# Altium PCB RS2-708_V008.PcbDoc (part 2 of 4) (continued)
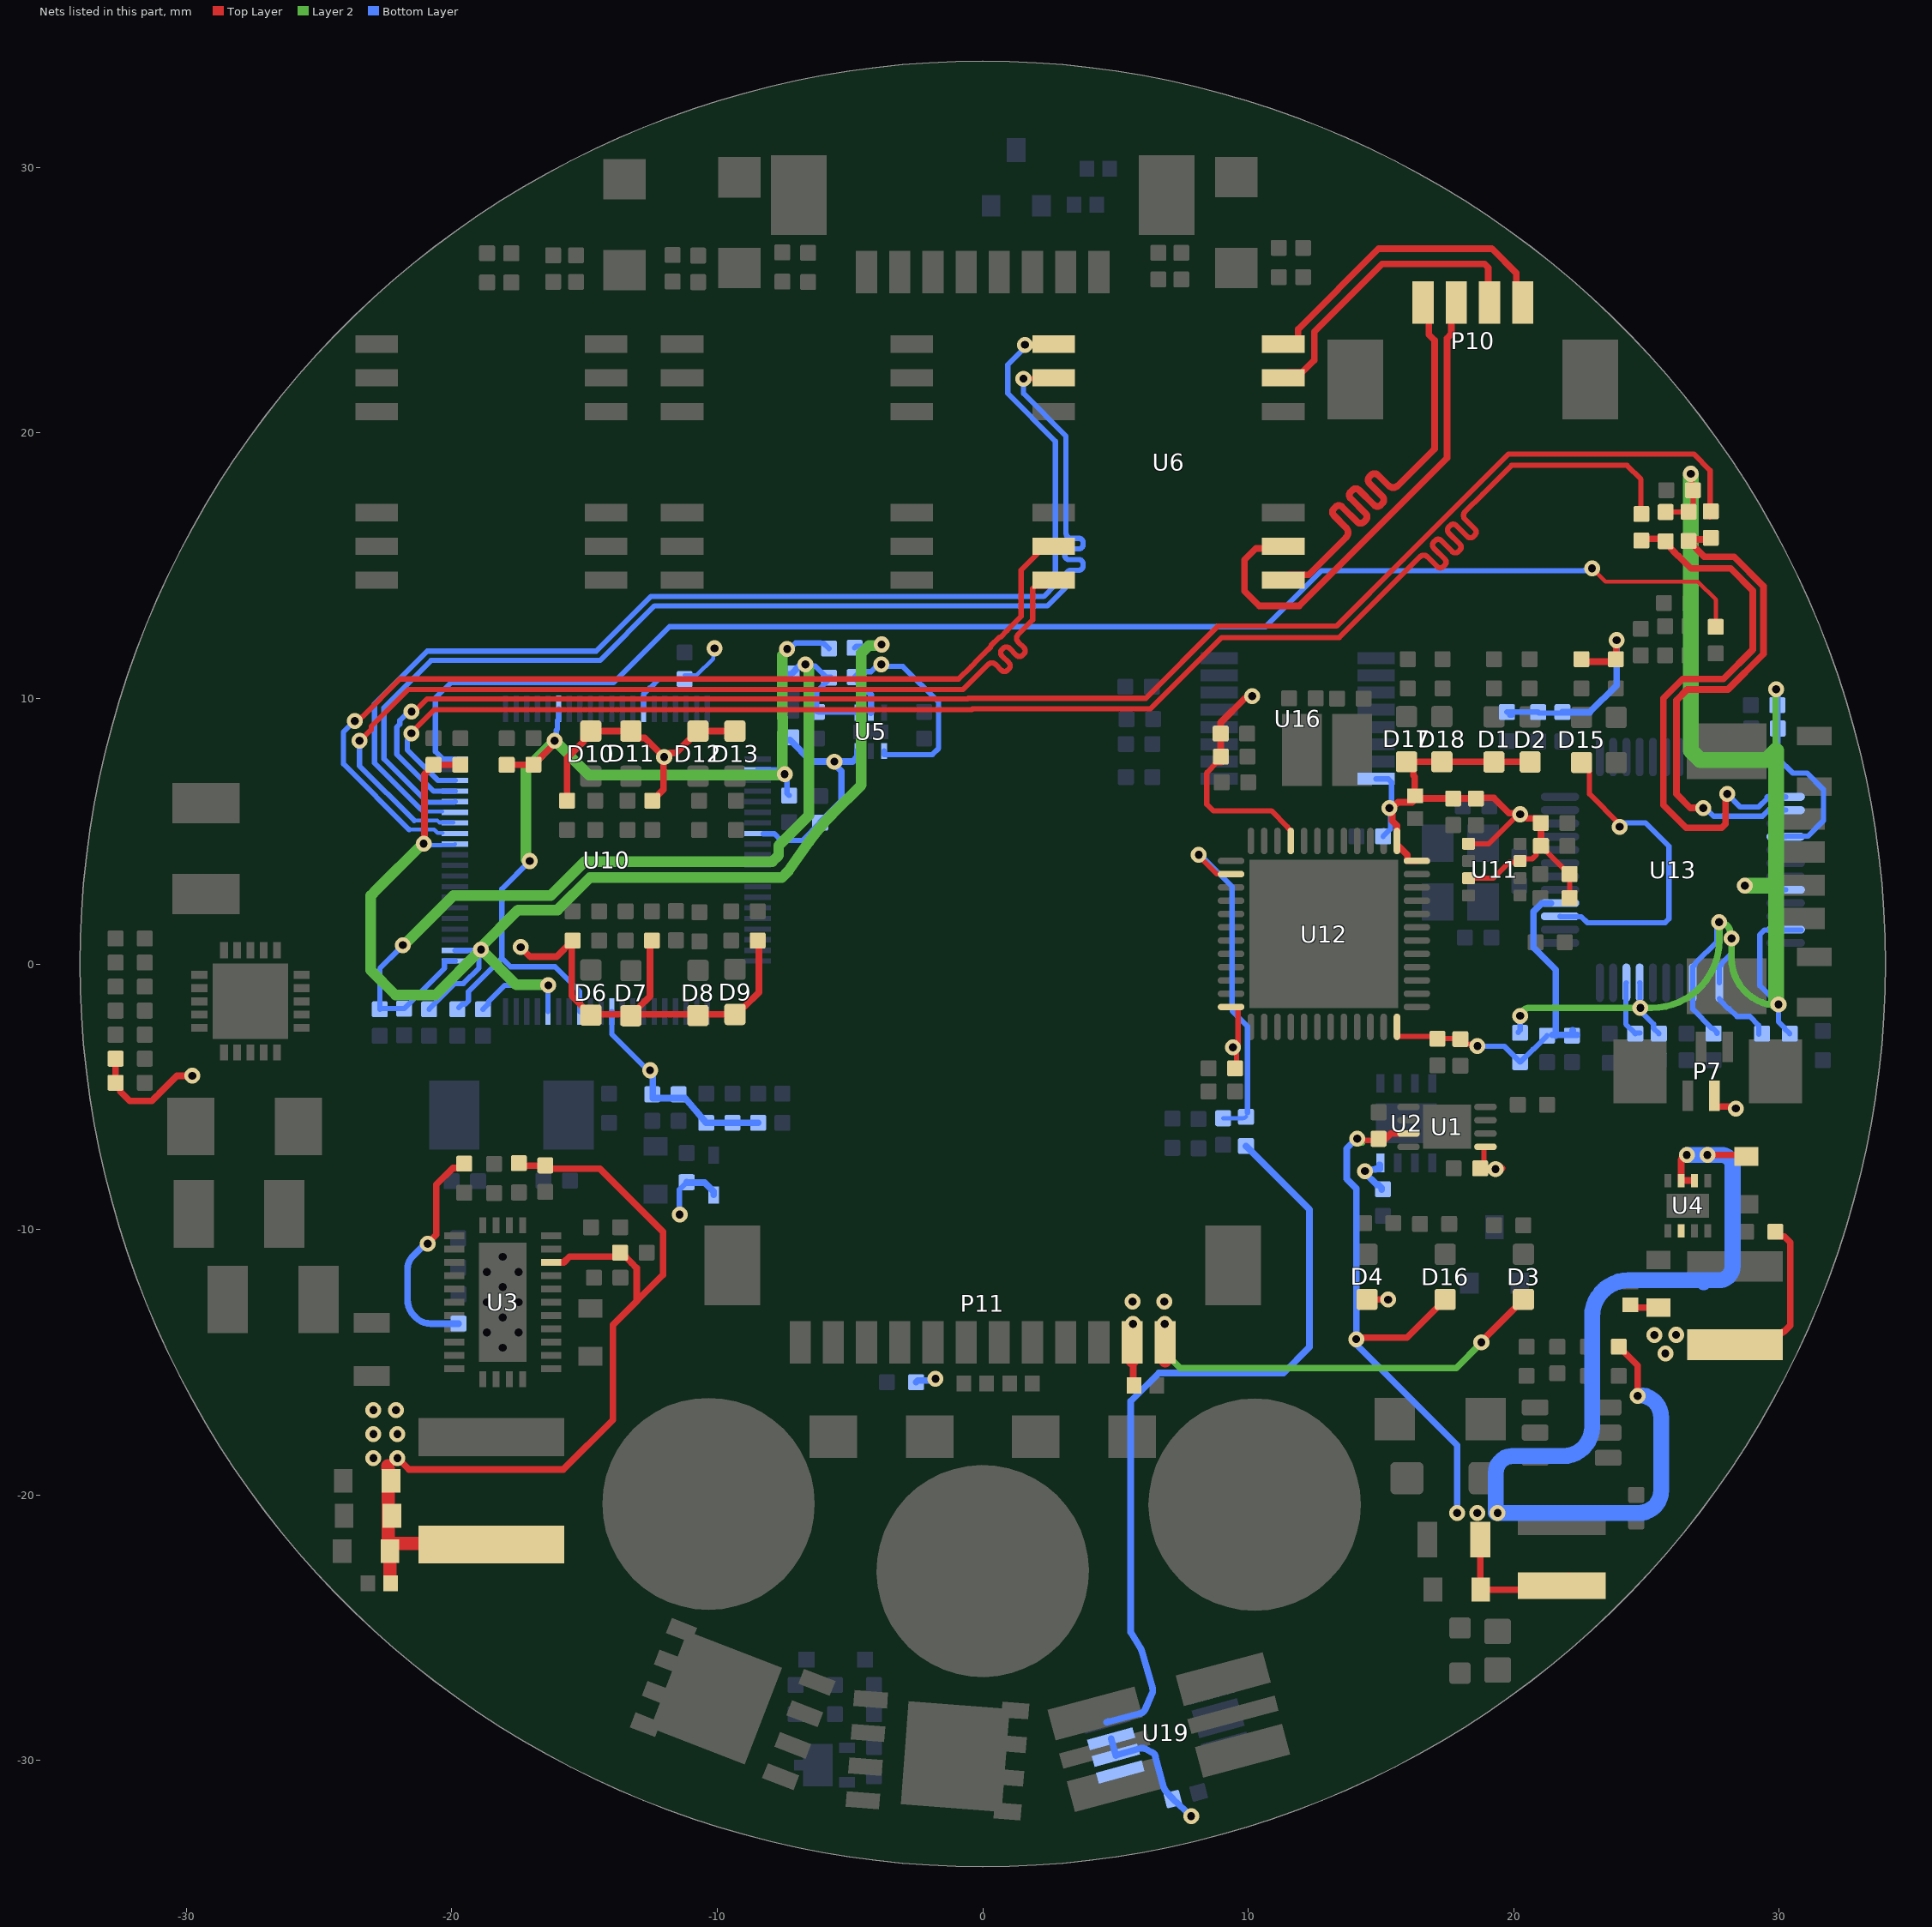
[diagram p4: the nets of this part, all layers, seen from the top]
## Part data (continued)
D33: "ESD Suppressor TVS 24V Automotive 3-Pin SOT-23 T/R", Breakdown Voltage=27V, Capacitance=30pF, Case/Package=SOT-23, Clamping Voltage=43V, Leakage Current=100nA, Manufacturer 1=STMicroelectronics, Manufacturer Part Number 1=ESDCAN24-2BLY, Max Operating Temperature=150°C, Max Power Dissipation=230W, Min Breakdown Voltage=26.2V, Min Operating Temperature=-40°C, Package Quantity=1, Peak Pulse Current=5.5A, Power Line Protection=No, Resistor Type=Zener, Reverse Standoff Voltage=24V, Supplier Part Number 1=497-13262-1-ND, Category="TVS Diodes", ComponentLink1Description=https://datasheet.ciiva.com/22685/1786030-22685811.pdf?src-supplier=Element14, ComponentLink1URL=https://datasheet.ciiva.com/22685/1786030-22685811.pdf?src-supplier=Element14, ComponentLink2Description=https://datasheet.ciiva.com/26935/getdatasheetpartid-779627-26935935.pdf?src-supplier=Verical, ComponentLink2URL=https://datasheet.ciiva.com/26935/getdatasheetpartid-779627-26935935.pdf?src-supplier=Verical, ComponentLink3Description=https://datasheet.ciiva.com/23803/dm00037599-23803632.pdf?src-supplier=Newark, ComponentLink3URL=https://datasheet.ciiva.com/23803/dm00037599-23803632.pdf?src-supplier=Newark, ComponentLink4Description=https://datasheet.ciiva.com/12070/dm00037599-100424-12070821.pdf?src-supplier=Mouser, ComponentLink4URL=https://datasheet.ciiva.com/12070/dm00037599-100424-12070821.pdf?src-supplier=Mouser, ComponentLink5Description=https://datasheet.ciiva.com/6574/dm00037599-6574397.pdf?src-supplier=Digi-Key, ComponentLink5URL=https://datasheet.ciiva.com/6574/dm00037599-6574397.pdf?src-supplier=Digi-Key, ComponentLink6Description=https://datasheet.ciiva.com/6574/dm00037599-6574398.pdf?src-supplier=Digi-Key, ComponentLink6URL=https://datasheet.ciiva.com/6574/dm00037599-6574398.pdf?src-supplier=Digi-Key, ComponentLink7Description=https://datasheet.ciiva.com/16581/dm00037599-16581999.pdf?src-supplier=Avnet+Europe, ComponentLink7URL=https://datasheet.ciiva.com/16581/dm00037599-16581999.pdf?src-supplier=Avnet+Europe, ComponentLink8Description=https://datasheet.ciiva.com/41443/001183991-da-01-en-tvs-diode-24-esdcan24-2bly-sot-23-3l-stm-41443402.pdf?src-supplier=Conrad, ComponentLink8URL=https://datasheet.ciiva.com/41443/001183991-da-01-en-tvs-diode-24-esdcan24-2bly-sot-23-3l-stm-41443402.pdf?src-supplier=Conrad, Depth=1.3mm, Diode Type=ZENER, Direction=Bidirectional, Element Configuration=Dual, ESD Protection=Yes, Height=1.4mm, Lead Free="Lead Free", Length=2.9mm, Max Reverse Leakage Current=100nA, Mount="Surface Mount", Number of Bidirectional Channels=2, Number of Channels=2, Number of Pins=3, Packaging="Tape and Reel", Peak Pulse Power=230W, Polarity=Bidirectional, Pricing 1="1=0,40000, 10=0,31000, 100=0,18570, 500=0,17198, 1000=0,12980 (USD)", Radiation Hardening=No, REACH SVHC="No SVHC", RoHS=Yes, RoHS Compliant=Yes, Series="Automotive, AEC-Q101, ESDCAY, TRANSIL™", Stock 1=51547, Supplier 1=Digi-Key, Termination=SMD/SMT, Width=1.75mm, Working Voltage=24V
D37: "TVS DIODE 12V 21V SOT23", Breakdown Voltage=13.3V, Capacitance=45pF, Case/Package=SOT-23, Clamping Voltage=21V, Current Rating=1uA, Manufacturer 1=MCC, Max Operating Temperature=150°C, Max Power Dissipation=400W, Min Operating Temperature=-55°C, Operating Supply Voltage=12V, Package Quantity=1, Peak Pulse Current=5A, Power Line Protection=No, Resistor Type=Zener, Supplier Part Number 1=SM712-TPMSCT-ND, Category="TVS Diodes", ComponentLink1Description=https://datasheet.ciiva.com/16480/rclamp0582b-16480625.pdf?src-supplier=Future+Electronics, ComponentLink1URL=https://datasheet.ciiva.com/16480/rclamp0582b-16480625.pdf?src-supplier=Future+Electronics, ComponentLink2Description=https://datasheet.ciiva.com/29588/rclamp0582bq-29588763.pdf?src-supplier=Digi-Key, ComponentLink2URL=https://datasheet.ciiva.com/29588/rclamp0582bq-29588763.pdf?src-supplier=Digi-Key, ComponentLink3Description=https://datasheet.ciiva.com/29588/rclamp0582bq-29588764.pdf?src-supplier=Digi-Key, ComponentLink3URL=https://datasheet.ciiva.com/29588/rclamp0582bq-29588764.pdf?src-supplier=Digi-Key, ComponentLink4Description=https://datasheet.ciiva.com/29588/rclamp0582bq-29588765.pdf?src-supplier=Digi-Key, ComponentLink4URL=https://datasheet.ciiva.com/29588/rclamp0582bq-29588765.pdf?src-supplier=Digi-Key, ComponentLink5Description=https://datasheet.ciiva.com/342/sm712sot-23-342378.pdf?src-supplier=Digi-Key, ComponentLink5URL=https://datasheet.ciiva.com/342/sm712sot-23-342378.pdf?src-supplier=Digi-Key, ComponentLink6Description=https://datasheet.ciiva.com/4479/sm712sot-23-52175-4479615.pdf?src-supplier=Mouser, ComponentLink6URL=https://datasheet.ciiva.com/4479/sm712sot-23-52175-4479615.pdf?src-supplier=Mouser, ComponentLink7Description=https://datasheet.ciiva.com/342/sm712sot-23-342379.pdf?src-supplier=Digi-Key, ComponentLink7URL=https://datasheet.ciiva.com/342/sm712sot-23-342379.pdf?src-supplier=Digi-Key, ComponentLink8Description=https://datasheet.ciiva.com/17443/sm712sot-23-17443003.pdf?src-supplier=Future+Electronics, ComponentLink8URL=https://datasheet.ciiva.com/17443/sm712sot-23-17443003.pdf?src-supplier=Future+Electronics, ComponentLink9Description=https://datasheet.ciiva.com/342/sm712sot-23-342380.pdf?src-supplier=Digi-Key, ComponentLink9URL=https://datasheet.ciiva.com/342/sm712sot-23-342380.pdf?src-supplier=Digi-Key, Depth=1.4mm, Direction=Bidirectional, Element Configuration=Dual, Lead Free="Lead Free", Leakage Current=1uA, Length=3.04mm, Manufacturer Part Number 1=SM712-TP, Min Breakdown Voltage=13.3V, Mount="Surface Mount", Number of Bidirectional Channels=2, Number of Channels=2, Number of Pins=3, Packaging="Tape and Reel", Peak Pulse Power=400W, Pricing 1="1=0,99000, 10=0,88500, 100=0,63000, 500=0,53400, 1000=0,43500 (USD)", Radiation Hardening=No, Reverse Standoff Voltage=12V, RoHS=Yes, Stock 1=53074, Supplier 1=Digi-Key, Termination=SMD/SMT, Working Voltage=12V
FB1 FB2 FB3: Case/Package=0402, Case Code (Metric)=1005, Current Rating=1.3A, DC Resistance (DCR)=90mR, Manufacturer 1=Murata, Manufacturer Part Number 1=BLM15PD121SN1D, Max Operating Temperature=125°C, Min Operating Temperature=-55°C, Package Quantity=1, Supplier Part Number 1=490-5203-1-ND, Test Frequency=100MHz, Tolerance=25%, Case Code (Imperial)=0402, ComponentLink1Description=https://datasheet.ciiva.com/18093/getdatasheetpartid-195858-18093157.pdf?src-supplier=Verical, ComponentLink1URL=https://datasheet.ciiva.com/18093/getdatasheetpartid-195858-18093157.pdf?src-supplier=Verical, ComponentLink2Description=https://datasheet.ciiva.com/11800/0900766b811b5866-11800860.pdf?src-supplier=RSComponents, ComponentLink2URL=https://datasheet.ciiva.com/11800/0900766b811b5866-11800860.pdf?src-supplier=RSComponents, ComponentLink3Description=https://datasheet.ciiva.com/41425/001171686-da-01-en-chip-drossel0402-120r-1300ma-1-0x0-5mm-41425776.pdf?src-supplier=Conrad, ComponentLink3URL=https://datasheet.ciiva.com/41425/001171686-da-01-en-chip-drossel0402-120r-1300ma-1-0x0-5mm-41425776.pdf?src-supplier=Conrad, ComponentLink4Description=https://datasheet.ciiva.com/41449/001172205-da-01-en-drossel-0402-120r-11-0x0-5mm-10000st-41449495.pdf?src-supplier=Conrad, ComponentLink4URL=https://datasheet.ciiva.com/41449/001172205-da-01-en-drossel-0402-120r-11-0x0-5mm-10000st-41449495.pdf?src-supplier=Conrad, ComponentLink5Description=https://datasheet.ciiva.com/1012/l0110e-1012434.pdf?src-supplier=Digi-Key, ComponentLink5URL=https://datasheet.ciiva.com/1012/l0110e-1012434.pdf?src-supplier=Digi-Key, ComponentLink6Description=https://datasheet.ciiva.com/1012/l0110e-1012435.pdf?src-supplier=Digi-Key, ComponentLink6URL=https://datasheet.ciiva.com/1012/l0110e-1012435.pdf?src-supplier=Digi-Key, ComponentLink7Description=https://datasheet.ciiva.com/1012/l0110e-1012436.pdf?src-supplier=Digi-Key, ComponentLink7URL=https://datasheet.ciiva.com/1012/l0110e-1012436.pdf?src-supplier=Digi-Key, Core Material=Ferrite, DC Current=1.3A, Depth=0.55mm, Height=0.5mm, Impedance=120R, Lead Free="Lead Free", Length=1mm, Material=Steel,Ferrite, Max Current Rating=1.3A, Max DC Current=1.3A, Military Standard=Not, Number of Circuits=1, Number of Lines=1, Number of Pins=2, Packaging="Tape and Reel", Pricing 1="1=0,12000, 10=0,09600, 25=0,08680, 50=0,06360, 100=0,05490, 250=0,04332, 500=0,03658, 1000=0,03080, 5000=0,02743 (USD)", Radiation Hardening=No, REACH SVHC="No SVHC", RoHS=Yes, Stock 1=239261, Supplier 1=Digi-Key, Termination=SMD/SMT, Width=0.5mm
L1: "COILCRAFT - XAL6060-822MEC - Power Inductor (SMD), 8.2 µH, 8 A, Shielded, 8.4 A, XAL6060 Series, 6.56mm x 6.36mm x 6.1mm", Case/Package=SMD/SMT, DC Resistance (DCR)=26.4mR, Inductance=8.2uH, Inductance Tolerance=20%, Manufacturer 1=Coilcraft, Manufacturer Part Number 1=XAL6060-822MEC, Max DC Current=8A, Max Operating Temperature=125°C, Min Operating Temperature=-40°C, Package Quantity=250, Saturation Current=8.4A, Self Resonant Frequency=16MHz, Supplier Part Number 1=994-XAL6060-822MEC, Test Frequency=100kHz, Category="Fixed Inductors", ComponentLink1Description=https://datasheet.ciiva.com/13277/xal60xx-270658-13277238.pdf?src-supplier=Mouser, ComponentLink1URL=https://datasheet.ciiva.com/13277/xal60xx-270658-13277238.pdf?src-supplier=Mouser, Core Material=Composite, Height=6.1mm, Lead Free="Contains Lead", Length=6.76mm, Mount="Surface Mount", Packaging="Tape and Reel", Pricing 1="1=2,58000, 10=2,58000, 50=2,58000, 100=2,25000, 1000=1,18000, 10000=1,10000 (USD)", REACH SVHC=Unknown, RMS Current (Irms)=8A, RoHS=Yes, RoHS Compliant=Yes, Series=XAL6060, Shielding=Shielded, Stock 1=784, Supplier 1=Mouser, Termination=SMD/SMT, Tolerance=20%, Width=6.56mm
L2: Case/Package=1515, Current Rating=3A, DC Resistance (DCR)=45mR, Inductance=2.2uH, Inductance Tolerance=20%, Manufacturer 1="Vishay Dale", Manufacturer Part Number 1=IFSC1515AHER2R2M01, Max Operating Temperature=125°C, Min Operating Temperature=-55°C, Package Quantity=2000, Supplier Part Number 1=541-1404-1-ND, Test Frequency=100kHz, ComponentLink1Description=https://datasheet.ciiva.com/8017/sc15ah01-8017541.pdf?src-supplier=Element14, ComponentLink1URL=https://datasheet.ciiva.com/8017/sc15ah01-8017541.pdf?src-supplier=Element14, ComponentLink2Description=https://datasheet.ciiva.com/8495/sc15ah01-8495050.pdf?src-supplier=Avnet, ComponentLink2URL=https://datasheet.ciiva.com/8495/sc15ah01-8495050.pdf?src-supplier=Avnet, ComponentLink3Description=https://datasheet.ciiva.com/6702/sc15ah01-6702123.pdf?src-supplier=Digi-Key, ComponentLink3URL=https://datasheet.ciiva.com/6702/sc15ah01-6702123.pdf?src-supplier=Digi-Key, ComponentLink4Description=https://datasheet.ciiva.com/6702/sc15ah01-6702124.pdf?src-supplier=Digi-Key, ComponentLink4URL=https://datasheet.ciiva.com/6702/sc15ah01-6702124.pdf?src-supplier=Digi-Key, ComponentLink5Description=https://datasheet.ciiva.com/46395/1913058-46395301.pdf?src-supplier=Element14, ComponentLink5URL=https://datasheet.ciiva.com/46395/1913058-46395301.pdf?src-supplier=Element14, ComponentLink6Description=https://datasheet.ciiva.com/22726/1730404-22726056.pdf?src-supplier=Element14, ComponentLink6URL=https://datasheet.ciiva.com/22726/1730404-22726056.pdf?src-supplier=Element14, ComponentLink7Description=https://datasheet.ciiva.com/6702/sc15ah01-6702125.pdf?src-supplier=Digi-Key, ComponentLink7URL=https://datasheet.ciiva.com/6702/sc15ah01-6702125.pdf?src-supplier=Digi-Key, Contact Plating=Tin, Depth=4mm, Height=1.8mm, Height - Seated (Max)=0.075inch, Lead Free="Lead Free", Length=4mm, Max DC Current=3A, Military Standard=Not, Mount="Surface Mount", Number of Pins=2, Packaging="Tape and Reel", Pricing 1="1=0,64000, 10=0,55900, 100=0,39960, 500=0,33568, 1000=0,27175 (USD)", REACH SVHC=Unknown, RMS Current (Irms)=3A, RoHS=Yes, Saturation Current=3A, Shielding=Shielded, Stock 1=79626, Supplier 1=Digi-Key, Termination=SMD/SMT, Tolerance=20%, Width=3.8mm
L3: "FIXED IND 15UH 1.45A 132 MOHM", Case/Package=Nonstandard, Current Rating=1.45A, DC Resistance (DCR)=132mR, Inductance=15uH, Manufacturer 1="Wurth Electronics", Manufacturer Part Number 1=74404043150A, Max Operating Temperature=125°C, Min Operating Temperature=-40°C, Resistor Type=Wirewound, Saturation Current=840mA, Self Resonant Frequency=33MHz, Supplier Part Number 1=732-10760-1-ND, Test Frequency=100kHz, Tolerance=20%, Category="Fixed Inductors", ComponentLink1Description=http://www.farnell.com/datasheets/2277224.pdf?src-supplier=Farnell, ComponentLink1URL=http://www.farnell.com/datasheets/2277224.pdf?src-supplier=Farnell, ComponentLink2Description=https://katalog.we-online.de/pbs/datasheet/74404043150A.pdf?src-supplier=Digi-Key, ComponentLink2URL=https://katalog.we-online.de/pbs/datasheet/74404043150A.pdf?src-supplier=Digi-Key, Core Material=Ferrite, Mount="Surface Mount", Packaging="Cut Tape", Pricing 1="1=0,60000, 50=0,49580, 100=0,37690, 1000=0,32728 (USD)", RoHS=Yes, RoHS Compliant=Yes, Shielding=Shielded, Stock 1=10986, Supplier 1=Digi-Key
P1 P6 P9: library part 7466113, "POWER ELEMENT SHANK", Current Rating=50A, Manufacturer 1="Wurth Electronics", Package Quantity=100, Supplier Part Number 1=732-5246-ND, Category=Terminals, ComponentLink1Description=https://datasheet.ciiva.com/29669/7466113-29669842.pdf?src-supplier=Digi-Key, ComponentLink1URL=https://datasheet.ciiva.com/29669/7466113-29669842.pdf?src-supplier=Digi-Key, Contact Material=Brass, Contact Plating=Tin, Length=7mm, Manufacturer Part Number 1=7466113, Mount="Surface Mount", Number of Contacts=1, Number of Pins=1, Pricing 1="1=2,48000, 10=2,35200, 50=2,12800, 100=1,90400, 500=1,72500 (USD)", REACH SVHC=Unknown, RoHS=Yes, Stock 1=680, Supplier 1=Digi-Key, Termination=Solder, Thread Size=M3
P5: library part 532617008, "8POS Picoblade 1.25mm", Manufacturer=Molex, Manufacturer Part Number=0532617008, Stock 1=5950, Supplier 1=Digi-Key
P7: library part AFC11-S04ICC-00, "4 pin FFC connector,0.5mm pitch, 0.5A", Component Type="4 Position FPC Connector Contacts, Top and Bottom 0.020\" (0.50mm) Surface Mount, Vertical Angle", Manufacturer Part Number=AFC11-S04ICC-00
P8 P10: library part 0532617004, "4POS Picoblade 1.25mm", Manufacturer=Molex, Supplier Part Number 1=WM25390CT-ND, Manufacturer Part Number=0532617004, Stock 1=5685, Supplier 1=Digi-Key
P11: library part 532611271, "Conn.;  Rect/PCB;  Header;  W-to-B;  1.25mmPitch;  12 Cir.; SMT;  Rt. Angle;  PicoBlade", Color=Natural, Contact Resistance=20mR, Current Rating=1A, Insulation Resistance=100MR, Manufacturer 1=Molex, Manufacturer Part Number 1=53261-1271, Max Operating Temperature=85°C, Min Operating Temperature=-40°C, Package Quantity=1000, Supplier Part Number 1=WM7630CT-ND, Voltage Rating=125V, Body Plating=Tin, Category="Headers and Wire Housings", ComponentLink1Description=https://datasheet.ciiva.com/22704/1841148-22704823.pdf?src-supplier=Element14, ComponentLink1URL=https://datasheet.ciiva.com/22704/1841148-22704823.pdf?src-supplier=Element14, ComponentLink2Description=https://datasheet.ciiva.com/16657/0532611271-pcb-headers-16657841.pdf?src-supplier=Avnet+Europe, ComponentLink2URL=https://datasheet.ciiva.com/16657/0532611271-pcb-headers-16657841.pdf?src-supplier=Avnet+Europe, ComponentLink3Description=https://datasheet.ciiva.com/5156/0532611271-pcb-headers-256968-5156358.pdf?src-supplier=Mouser, ComponentLink3URL=https://datasheet.ciiva.com/5156/0532611271-pcb-headers-256968-5156358.pdf?src-supplier=Mouser, ComponentLink4Description=https://datasheet.ciiva.com/11749/0900766b8078fc82-11749268.pdf?src-supplier=RSComponents, ComponentLink4URL=https://datasheet.ciiva.com/11749/0900766b8078fc82-11749268.pdf?src-supplier=RSComponents, ComponentLink5Description=https://datasheet.ciiva.com/7814/1739297-7814874.pdf?src-supplier=Element14, ComponentLink5URL=https://datasheet.ciiva.com/7814/1739297-7814874.pdf?src-supplier=Element14, ComponentLink6Description=https://datasheet.ciiva.com/14488/1768013-14488444.pdf?src-supplier=Farnell, ComponentLink6URL=https://datasheet.ciiva.com/14488/1768013-14488444.pdf?src-supplier=Farnell, ComponentLink7Description=https://datasheet.ciiva.com/10083/0532611271-pcb-headers-10083068.pdf?src-supplier=Avnet, ComponentLink7URL=https://datasheet.ciiva.com/10083/0532611271-pcb-headers-10083068.pdf?src-supplier=Avnet, Contact Material=Bronze,Tin,Brass, Contact Plating=Tin, Contact Type="Blade Pin", Depth=5.2mm, Gender=Male, Glow Wire Compliant=Non-compliant, Housing Color=Natural, Housing Material=Nylon, Lead Free="Lead Free", Lead Pitch=1.25mm, Mount="Surface Mount", Number of Circuits=12, Number of Contacts=12, Number of Positions=12, Number of Rows=1, Orientation="Right Angle", Packaging="Tape and Reel", Pitch=1.25mm, Pricing 1="1=1,08000, 10=0,89000, 100=0,74200 (USD)", Radiation Hardening=No, REACH SVHC=Unknown, RoHS=Yes, RoHS Compliant=Yes, Series=PicoBlade, Stock 1=3806, Supplier 1=Digi-Key, Termination=Solder, Voltage Rating (AC)=125V, Voltage Rating (DC)=125V, Working Voltage=125V
R1 R19 R20 R21 R22 R28 R44 R52 R54 R55 R60: Case/Package=0402, Case Code (Metric)=1005, Manufacturer 1=Panasonic, Manufacturer Part Number 1=ERJ-2RKF1002X, Max Operating Temperature=155°C, Max Power Dissipation=100mW, Min Operating Temperature=-55°C, Package Quantity=1, Resistance=10kR, Supplier Part Number 1=P10.0KLDKR-ND, Temperature Coefficient=100ppm/°C, Tolerance=1%, Voltage Rating=50V, Case Code (Imperial)=0402, ComponentLink1Description=https://datasheet.ciiva.com/11821/0900766b80f80784-11821171.pdf?src-supplier=RSComponents, ComponentLink1URL=https://datasheet.ciiva.com/11821/0900766b80f80784-11821171.pdf?src-supplier=RSComponents, ComponentLink2Description=https://datasheet.ciiva.com/16199/aoa0000ce2-16199478.pdf?src-supplier=Future+Electronics, ComponentLink2URL=https://datasheet.ciiva.com/16199/aoa0000ce2-16199478.pdf?src-supplier=Future+Electronics, ComponentLink3Description=https://datasheet.ciiva.com/17212/aoa0000ce2-17212102.pdf?src-supplier=Avnet+Europe, ComponentLink3URL=https://datasheet.ciiva.com/17212/aoa0000ce2-17212102.pdf?src-supplier=Avnet+Europe, ComponentLink4Description=https://datasheet.ciiva.com/24023/aoa0000ce2-24023017.pdf?src-supplier=Mouser, ComponentLink4URL=https://datasheet.ciiva.com/24023/aoa0000ce2-24023017.pdf?src-supplier=Mouser, ComponentLink5Description=https://datasheet.ciiva.com/28514/1678782-28514185.pdf?src-supplier=Element14, ComponentLink5URL=https://datasheet.ciiva.com/28514/1678782-28514185.pdf?src-supplier=Element14, ComponentLink6Description=https://datasheet.ciiva.com/43467/1678782-43467402.pdf?src-supplier=Farnell, ComponentLink6URL=https://datasheet.ciiva.com/43467/1678782-43467402.pdf?src-supplier=Farnell, ComponentLink7Description=https://datasheet.ciiva.com/27055/1987020-27055643.pdf?src-supplier=Jameco, ComponentLink7URL=https://datasheet.ciiva.com/27055/1987020-27055643.pdf?src-supplier=Jameco, ComponentLink8Description=https://datasheet.ciiva.com/48531/aoa0000ce2-48531069.pdf?src-supplier=Avnet, ComponentLink8URL=https://datasheet.ciiva.com/48531/aoa0000ce2-48531069.pdf?src-supplier=Avnet, ComponentLink9Description=https://datasheet.ciiva.com/9194/aoa0000ce2-9194142.pdf?src-supplier=Avnet, ComponentLink9URL=https://datasheet.ciiva.com/9194/aoa0000ce2-9194142.pdf?src-supplier=Avnet, ComponentLink10Description=https://datasheet.ciiva.com/16782/70260748-16782590.pdf?src-supplier=Allied+Electronics, ComponentLink10URL=https://datasheet.ciiva.com/16782/70260748-16782590.pdf?src-supplier=Allied+Electronics, ComponentLink11Description=https://datasheet.ciiva.com/16786/70260748-16786734.pdf?src-supplier=Allied+Electronics, ComponentLink11URL=https://datasheet.ciiva.com/16786/70260748-16786734.pdf?src-supplier=Allied+Electronics, ComponentLink12Description=https://datasheet.ciiva.com/30201/aoa0000ce2-30201022.pdf?src-supplier=Onlinecomponents.com, ComponentLink12URL=https://datasheet.ciiva.com/30201/aoa0000ce2-30201022.pdf?src-supplier=Onlinecomponents.com, Composition="Thick Film", Contact Plating=Tin, Depth=0.5mm, Features="Automotive AEC-Q200", Height=0.35mm, Lead Free="Lead Free", Length=1mm, Military Standard=Not, Mount="Surface Mount", Number of Pins=2, Number of Terminations=2, Packaging="Tape and Reel", Power Rating=100mW, Pricing 1="1=0,10000, 10=0,04100, 100=0,01680, 1000=0,00753, 2500=0,00653, 5000=0,00540 (USD)", Radiation Hardening=No, REACH SVHC="No SVHC", RoHS=Yes, Stock 1=3290329, Supplier 1=Digi-Key, Termination=SMD/SMT, Voltage Rating (DC)=50V, Width=0.02inch
R2 R3 R9 R10 R31 R32 R33 R34 R35 R36 R37 R38 R53 R56 R68 R69 R70: Case/Package=0402, Case Code (Metric)=1005, Manufacturer 1=Panasonic, Manufacturer Part Number 1=ERJ-2GEJ102X, Max Operating Temperature=155°C, Max Power Dissipation=100mW, Min Operating Temperature=-55°C, Package Quantity=1, Resistance=1kR, Supplier Part Number 1=P1.0KJCT-ND, Temperature Coefficient=200ppm/°C, Tolerance=5%, Voltage Rating=50V, Case Code (Imperial)=0402, ComponentLink1Description=https://datasheet.ciiva.com/11821/0900766b80f806dd-11821202.pdf?src-supplier=RSComponents, ComponentLink1URL=https://datasheet.ciiva.com/11821/0900766b80f806dd-11821202.pdf?src-supplier=RSComponents, ComponentLink2Description=https://datasheet.ciiva.com/34303/1986781-34303542.pdf?src-supplier=Jameco, ComponentLink2URL=https://datasheet.ciiva.com/34303/1986781-34303542.pdf?src-supplier=Jameco, ComponentLink3Description=https://datasheet.ciiva.com/16762/70260739-16762170.pdf?src-supplier=Allied+Electronics, ComponentLink3URL=https://datasheet.ciiva.com/16762/70260739-16762170.pdf?src-supplier=Allied+Electronics, ComponentLink4Description=https://datasheet.ciiva.com/17215/aoa0000ce1-17215306.pdf?src-supplier=Avnet+Europe, ComponentLink4URL=https://datasheet.ciiva.com/17215/aoa0000ce1-17215306.pdf?src-supplier=Avnet+Europe, ComponentLink5Description=https://datasheet.ciiva.com/43460/1500035-43460379.pdf?src-supplier=Farnell, ComponentLink5URL=https://datasheet.ciiva.com/43460/1500035-43460379.pdf?src-supplier=Farnell, ComponentLink6Description=https://datasheet.ciiva.com/16199/aoa0000ce1-16199541.pdf?src-supplier=Future+Electronics, ComponentLink6URL=https://datasheet.ciiva.com/16199/aoa0000ce1-16199541.pdf?src-supplier=Future+Electronics, ComponentLink7Description=https://datasheet.ciiva.com/30219/4aoa0000ce1-30219159.pdf?src-supplier=Onlinecomponents.com, ComponentLink7URL=https://datasheet.ciiva.com/30219/4aoa0000ce1-30219159.pdf?src-supplier=Onlinecomponents.com, ComponentLink8Description=https://datasheet.ciiva.com/22783/1500035-22783817.pdf?src-supplier=Farnell, ComponentLink8URL=https://datasheet.ciiva.com/22783/1500035-22783817.pdf?src-supplier=Farnell, ComponentLink9Description=https://datasheet.ciiva.com/48531/aoa0000ce1-48531081.pdf?src-supplier=Avnet, ComponentLink9URL=https://datasheet.ciiva.com/48531/aoa0000ce1-48531081.pdf?src-supplier=Avnet, ComponentLink10Description=https://datasheet.ciiva.com/46386/1500035-46386458.pdf?src-supplier=Element14, ComponentLink10URL=https://datasheet.ciiva.com/46386/1500035-46386458.pdf?src-supplier=Element14, ComponentLink11Description=https://datasheet.ciiva.com/16511/aoa0000ce1-16511421.pdf?src-supplier=Avnet+Asia, ComponentLink11URL=https://datasheet.ciiva.com/16511/aoa0000ce1-16511421.pdf?src-supplier=Avnet+Asia, ComponentLink12Description=https://datasheet.ciiva.com/46371/1500035-46371935.pdf?src-supplier=Element14, ComponentLink12URL=https://datasheet.ciiva.com/46371/1500035-46371935.pdf?src-supplier=Element14, Composition="Thick Film", Contact Plating=Tin, Depth=0.5mm, Features="Automotive AEC-Q200", Height=0.35mm, Lead Free="Lead Free", Length=1mm, Military Standard=Not, Mount="Surface Mount", Number of Terminations=2, Packaging="Tape and Reel", Power Rating=100mW, Pricing 1="1=0,10000, 10=0,03200, 100=0,01290, 1000=0,00578, 2500=0,00502, 5000=0,00414 (USD)", Radiation Hardening=No, REACH SVHC="No SVHC", RoHS=Yes, Stock 1=3554258, Supplier 1=Digi-Key, Termination=SMD/SMT, Voltage Rating (DC)=50V, Width=0.02inch, Working Voltage=50V
R4 R6: Case/Package=0402, Case Code (Metric)=1005, Manufacturer 1=Yageo, Manufacturer Part Number 1=RC0402FR-07100KL, Max Operating Temperature=155°C, Max Power Dissipation=63mW, Min Operating Temperature=-55°C, Package Quantity=1, Resistance=100kR, Supplier Part Number 1=311-100KLRDKR-ND, Temperature Coefficient=100ppm/°C, Tolerance=1%, Voltage Rating=50V, Case Code (Imperial)=0402, ComponentLink1Description=https://datasheet.ciiva.com/11819/0900766b80c66297-11819452.pdf?src-supplier=RSComponents, ComponentLink1URL=https://datasheet.ciiva.com/11819/0900766b80c66297-11819452.pdf?src-supplier=RSComponents, ComponentLink2Description=https://datasheet.ciiva.com/2453/pyu-r-int-thick-7-2453361.pdf?src-supplier=Digi-Key, ComponentLink2URL=https://datasheet.ciiva.com/2453/pyu-r-int-thick-7-2453361.pdf?src-supplier=Digi-Key, ComponentLink3Description=https://datasheet.ciiva.com/2453/pyu-r-int-thick-7-2453362.pdf?src-supplier=Digi-Key, ComponentLink3URL=https://datasheet.ciiva.com/2453/pyu-r-int-thick-7-2453362.pdf?src-supplier=Digi-Key, ComponentLink4Description=https://datasheet.ciiva.com/2453/pyu-r-int-thick-7-2453363.pdf?src-supplier=Digi-Key, ComponentLink4URL=https://datasheet.ciiva.com/2453/pyu-r-int-thick-7-2453363.pdf?src-supplier=Digi-Key, ComponentLink5Description=https://datasheet.ciiva.com/22747/1018594-22747509.pdf?src-supplier=Element14, ComponentLink5URL=https://datasheet.ciiva.com/22747/1018594-22747509.pdf?src-supplier=Element14, ComponentLink6Description=https://datasheet.ciiva.com/15189/getdatasheetpartid-323696-15189334.pdf?src-supplier=Verical, ComponentLink6URL=https://datasheet.ciiva.com/15189/getdatasheetpartid-323696-15189334.pdf?src-supplier=Verical, ComponentLink7Description=https://datasheet.ciiva.com/12667/pyu-rc0402-51-rohs-l-6-r-12667930.pdf?src-supplier=Mouser, ComponentLink7URL=https://datasheet.ciiva.com/12667/pyu-rc0402-51-rohs-l-6-r-12667930.pdf?src-supplier=Mouser, Composition="Thick Film", Depth=0.5mm, Features="Moisture Resistant", Height=0.016inch, Lead Free="Lead Free", Length=0.039inch, Military Standard=Not, Number of Terminations=2, Packaging="Tape and Reel", Power Rating=63mW, Pricing 1="1=0,10000, 10=0,01600, 100=0,00640, 1000=0,00289, 2500=0,00251, 5000=0,00207 (USD)", REACH SVHC="No SVHC", RoHS=Yes, Stock 1=20416104, Supplier 1=Digi-Key, Termination=SMD/SMT, Width=0.02inch, Working Voltage=50V
R5 R17 R72 R73 R78: Case Code (Imperial)=0402, Case Code (Metric)=1005, Manufacturer 1=Yageo, Manufacturer Part Number 1=RC0402FR-07100KL, Max Operating Temperature=155°C, Max Power Dissipation=63mW, Min Operating Temperature=-55°C, Package Quantity=1, Resistance=100kR, Supplier Part Number 1=311-100KLRDKR-ND, Temperature Coefficient=100ppm/°C, Tolerance=1%, Voltage Rating=50V, Case/Package=0402, ComponentLink1Description=https://datasheet.ciiva.com/11819/0900766b80c66297-11819452.pdf?src-supplier=RSComponents, ComponentLink1URL=https://datasheet.ciiva.com/11819/0900766b80c66297-11819452.pdf?src-supplier=RSComponents, ComponentLink2Description=https://datasheet.ciiva.com/2453/pyu-r-int-thick-7-2453361.pdf?src-supplier=Digi-Key, ComponentLink2URL=https://datasheet.ciiva.com/2453/pyu-r-int-thick-7-2453361.pdf?src-supplier=Digi-Key, ComponentLink3Description=https://datasheet.ciiva.com/2453/pyu-r-int-thick-7-2453362.pdf?src-supplier=Digi-Key, ComponentLink3URL=https://datasheet.ciiva.com/2453/pyu-r-int-thick-7-2453362.pdf?src-supplier=Digi-Key, ComponentLink4Description=https://datasheet.ciiva.com/2453/pyu-r-int-thick-7-2453363.pdf?src-supplier=Digi-Key, ComponentLink4URL=https://datasheet.ciiva.com/2453/pyu-r-int-thick-7-2453363.pdf?src-supplier=Digi-Key, ComponentLink5Description=https://datasheet.ciiva.com/22747/1018594-22747509.pdf?src-supplier=Element14, ComponentLink5URL=https://datasheet.ciiva.com/22747/1018594-22747509.pdf?src-supplier=Element14, ComponentLink6Description=https://datasheet.ciiva.com/15189/getdatasheetpartid-323696-15189334.pdf?src-supplier=Verical, ComponentLink6URL=https://datasheet.ciiva.com/15189/getdatasheetpartid-323696-15189334.pdf?src-supplier=Verical, ComponentLink7Description=https://datasheet.ciiva.com/12667/pyu-rc0402-51-rohs-l-6-r-12667930.pdf?src-supplier=Mouser, ComponentLink7URL=https://datasheet.ciiva.com/12667/pyu-rc0402-51-rohs-l-6-r-12667930.pdf?src-supplier=Mouser, Composition="Thick Film", Depth=0.5mm, Features="Moisture Resistant", Height=0.016inch, Lead Free="Lead Free", Length=0.039inch, Military Standard=Not, Number of Terminations=2, Packaging="Tape and Reel", Power Rating=63mW, Pricing 1="1=0,10000, 10=0,01600, 100=0,00640, 1000=0,00289, 2500=0,00251, 5000=0,00207 (USD)", REACH SVHC="No SVHC", RoHS=Yes, Stock 1=20416104, Supplier 1=Digi-Key, Termination=SMD/SMT, Width=0.02inch, Working Voltage=50V
R7: "RES SMD 36.5KOHM 0.1% 1/16W 0402", Case Code (Imperial)=0402, Case Code (Metric)=1005, Manufacturer 1=Panasonic, Manufacturer Part Number 1=ERA-2AEB3652X, Max Operating Temperature=155°C, Max Power Dissipation=63mW, Min Operating Temperature=-55°C, Package Quantity=10000, Resistance=36.5kR, Resistor Type="Thin Film,Metal Film", Supplier Part Number 1=P36.5KDCCT-ND, Temperature Coefficient=25ppm/°C, Tolerance=0.1%, Voltage Rating=25V, Voltage Rating (DC)=50V, Case/Package=0402, Category="Chip SMD Resistors", ComponentLink1Description=https://media.digikey.com/pdf/Data%20Sheets/Panasonic%20Resistors%20Thermistors%20PDFs/ERA_Series_LE.pdf?src-supplier=Digi-Key, ComponentLink1URL=https://media.digikey.com/pdf/Data%20Sheets/Panasonic%20Resistors%20Thermistors%20PDFs/ERA_Series_LE.pdf?src-supplier=Digi-Key, ComponentLink2Description=http://www.mouser.com/ds/2/315/AOA0000C237-1100991.pdf?src-supplier=Mouser, ComponentLink2URL=http://www.mouser.com/ds/2/315/AOA0000C237-1100991.pdf?src-supplier=Mouser, ComponentLink3Description=http://components.arrow.com/part/dataview/0323_02916437?src-supplier=Arrow+Europe, ComponentLink3URL=http://components.arrow.com/part/dataview/0323_02916437?src-supplier=Arrow+Europe, ComponentLink4Description=https://industrial.panasonic.com/cdbs/www-data/pdf/RDM0000/AOA0000C307.pdf?src-supplier=Digi-Key, ComponentLink4URL=https://industrial.panasonic.com/cdbs/www-data/pdf/RDM0000/AOA0000C307.pdf?src-supplier=Digi-Key, ComponentLink5Description=http://industrial.panasonic.com/cdbs/www-data/pdf/RDM0000/AOA0000C307.pdf?src-supplier=Farnell, ComponentLink5URL=http://industrial.panasonic.com/cdbs/www-data/pdf/RDM0000/AOA0000C307.pdf?src-supplier=Farnell, ComponentLink6Description=http://www.onlinecomponents.com/datasheet/era-2aeb3652x.aspx?p=44473727&src-supplier=Onlinecomponents.com, ComponentLink6URL=http://www.onlinecomponents.com/datasheet/era-2aeb3652x.aspx?p=44473727&src-supplier=Onlinecomponents.com, ComponentLink7Description=http://www.farnell.com/datasheets/1818319.pdf?src-supplier=Element14, ComponentLink7URL=http://www.farnell.com/datasheets/1818319.pdf?src-supplier=Element14, ComponentLink8Description=http://www.farnell.com/datasheets/2052875.pdf?src-supplier=Newark, ComponentLink8URL=http://www.farnell.com/datasheets/2052875.pdf?src-supplier=Newark, Depth=0.5mm, Height=0.016inch, Lead Free="Lead Free", Length=1mm, Military Standard=Not, Mount="Surface Mount", Number of Terminations=2, Packaging="Tape and Reel", Power Rating=63mW, Pricing 1="1=0,39000, 10=0,27800, 100=0,11110, 1000=0,05474, 2500=0,05072, 5000=0,04588 (USD)", REACH SVHC=Unknown, RoHS=Yes, Stock 1=15486, Supplier 1=Digi-Key, Width=0.02inch
R8: Case/Package=0402, Case Code (Metric)=1005, Manufacturer 1=Vishay, Manufacturer Part Number 1=CRCW04029K09FKED, Max Operating Temperature=155°C, Max Power Dissipation=63mW, Min Operating Temperature=-55°C, Package Quantity=10, Resistance=9.09kR, Supplier Part Number 1=541-9.09KLCT-ND, Temperature Coefficient=100ppm/°C, Tolerance=1%, Voltage Rating=50V, Case Code (Imperial)=0402, ComponentLink1Description=https://datasheet.ciiva.com/11818/0900766b80d98824-11818154.pdf?src-supplier=RSComponents, ComponentLink1URL=https://datasheet.ciiva.com/11818/0900766b80d98824-11818154.pdf?src-supplier=RSComponents, ComponentLink2Description=https://datasheet.ciiva.com/16394/dcrcwe3-16394661.pdf?src-supplier=Future+Electronics, ComponentLink2URL=https://datasheet.ciiva.com/16394/dcrcwe3-16394661.pdf?src-supplier=Future+Electronics, ComponentLink3Description=https://datasheet.ciiva.com/3256/dcrcwe3-3256905.pdf?src-supplier=Avnet, ComponentLink3URL=https://datasheet.ciiva.com/3256/dcrcwe3-3256905.pdf?src-supplier=Avnet, ComponentLink4Description=https://datasheet.ciiva.com/5541/dcrcwe3-109170-5541359.pdf?src-supplier=Mouser, ComponentLink4URL=https://datasheet.ciiva.com/5541/dcrcwe3-109170-5541359.pdf?src-supplier=Mouser, ComponentLink5Description=https://datasheet.ciiva.com/2464/dcrcwe3-2464057.pdf?src-supplier=Digi-Key, ComponentLink5URL=https://datasheet.ciiva.com/2464/dcrcwe3-2464057.pdf?src-supplier=Digi-Key, ComponentLink6Description=https://datasheet.ciiva.com/2464/dcrcwe3-2464058.pdf?src-supplier=Digi-Key, ComponentLink6URL=https://datasheet.ciiva.com/2464/dcrcwe3-2464058.pdf?src-supplier=Digi-Key, ComponentLink7Description=https://datasheet.ciiva.com/2464/dcrcwe3-2464059.pdf?src-supplier=Digi-Key, ComponentLink7URL=https://datasheet.ciiva.com/2464/dcrcwe3-2464059.pdf?src-supplier=Digi-Key, ComponentLink8Description=https://datasheet.ciiva.com/16885/dcrcwe3-16885932.pdf?src-supplier=Avnet+Europe, ComponentLink8URL=https://datasheet.ciiva.com/16885/dcrcwe3-16885932.pdf?src-supplier=Avnet+Europe, Composition="Thick Film", Contact Plating=Tin, Depth=0.5mm, Features="Automotive AEC-Q200", Height=0.35mm, Lead Free="Lead Free", Length=1mm, Military Standard=Not, Mount="Surface Mount", Number of Pins=2, Number of Terminations=2, Packaging="Tape and Reel", Power Rating=63mW, Pricing 1="1=0,10000, 10=0,03600, 100=0,01460, 1000=0,00657, 2500=0,00570, 5000=0,00471 (USD)", Radiation Hardening=No, REACH SVHC=Unknown, RoHS=Yes, Stock 1=23574, Supplier 1=Digi-Key, Termination=SMD/SMT, Voltage Rating (DC)=50V, Weight=2.3E-05oz, Width=0.02inch